# Allegro board P2597_B04_Allegro_layout.brd (continued)
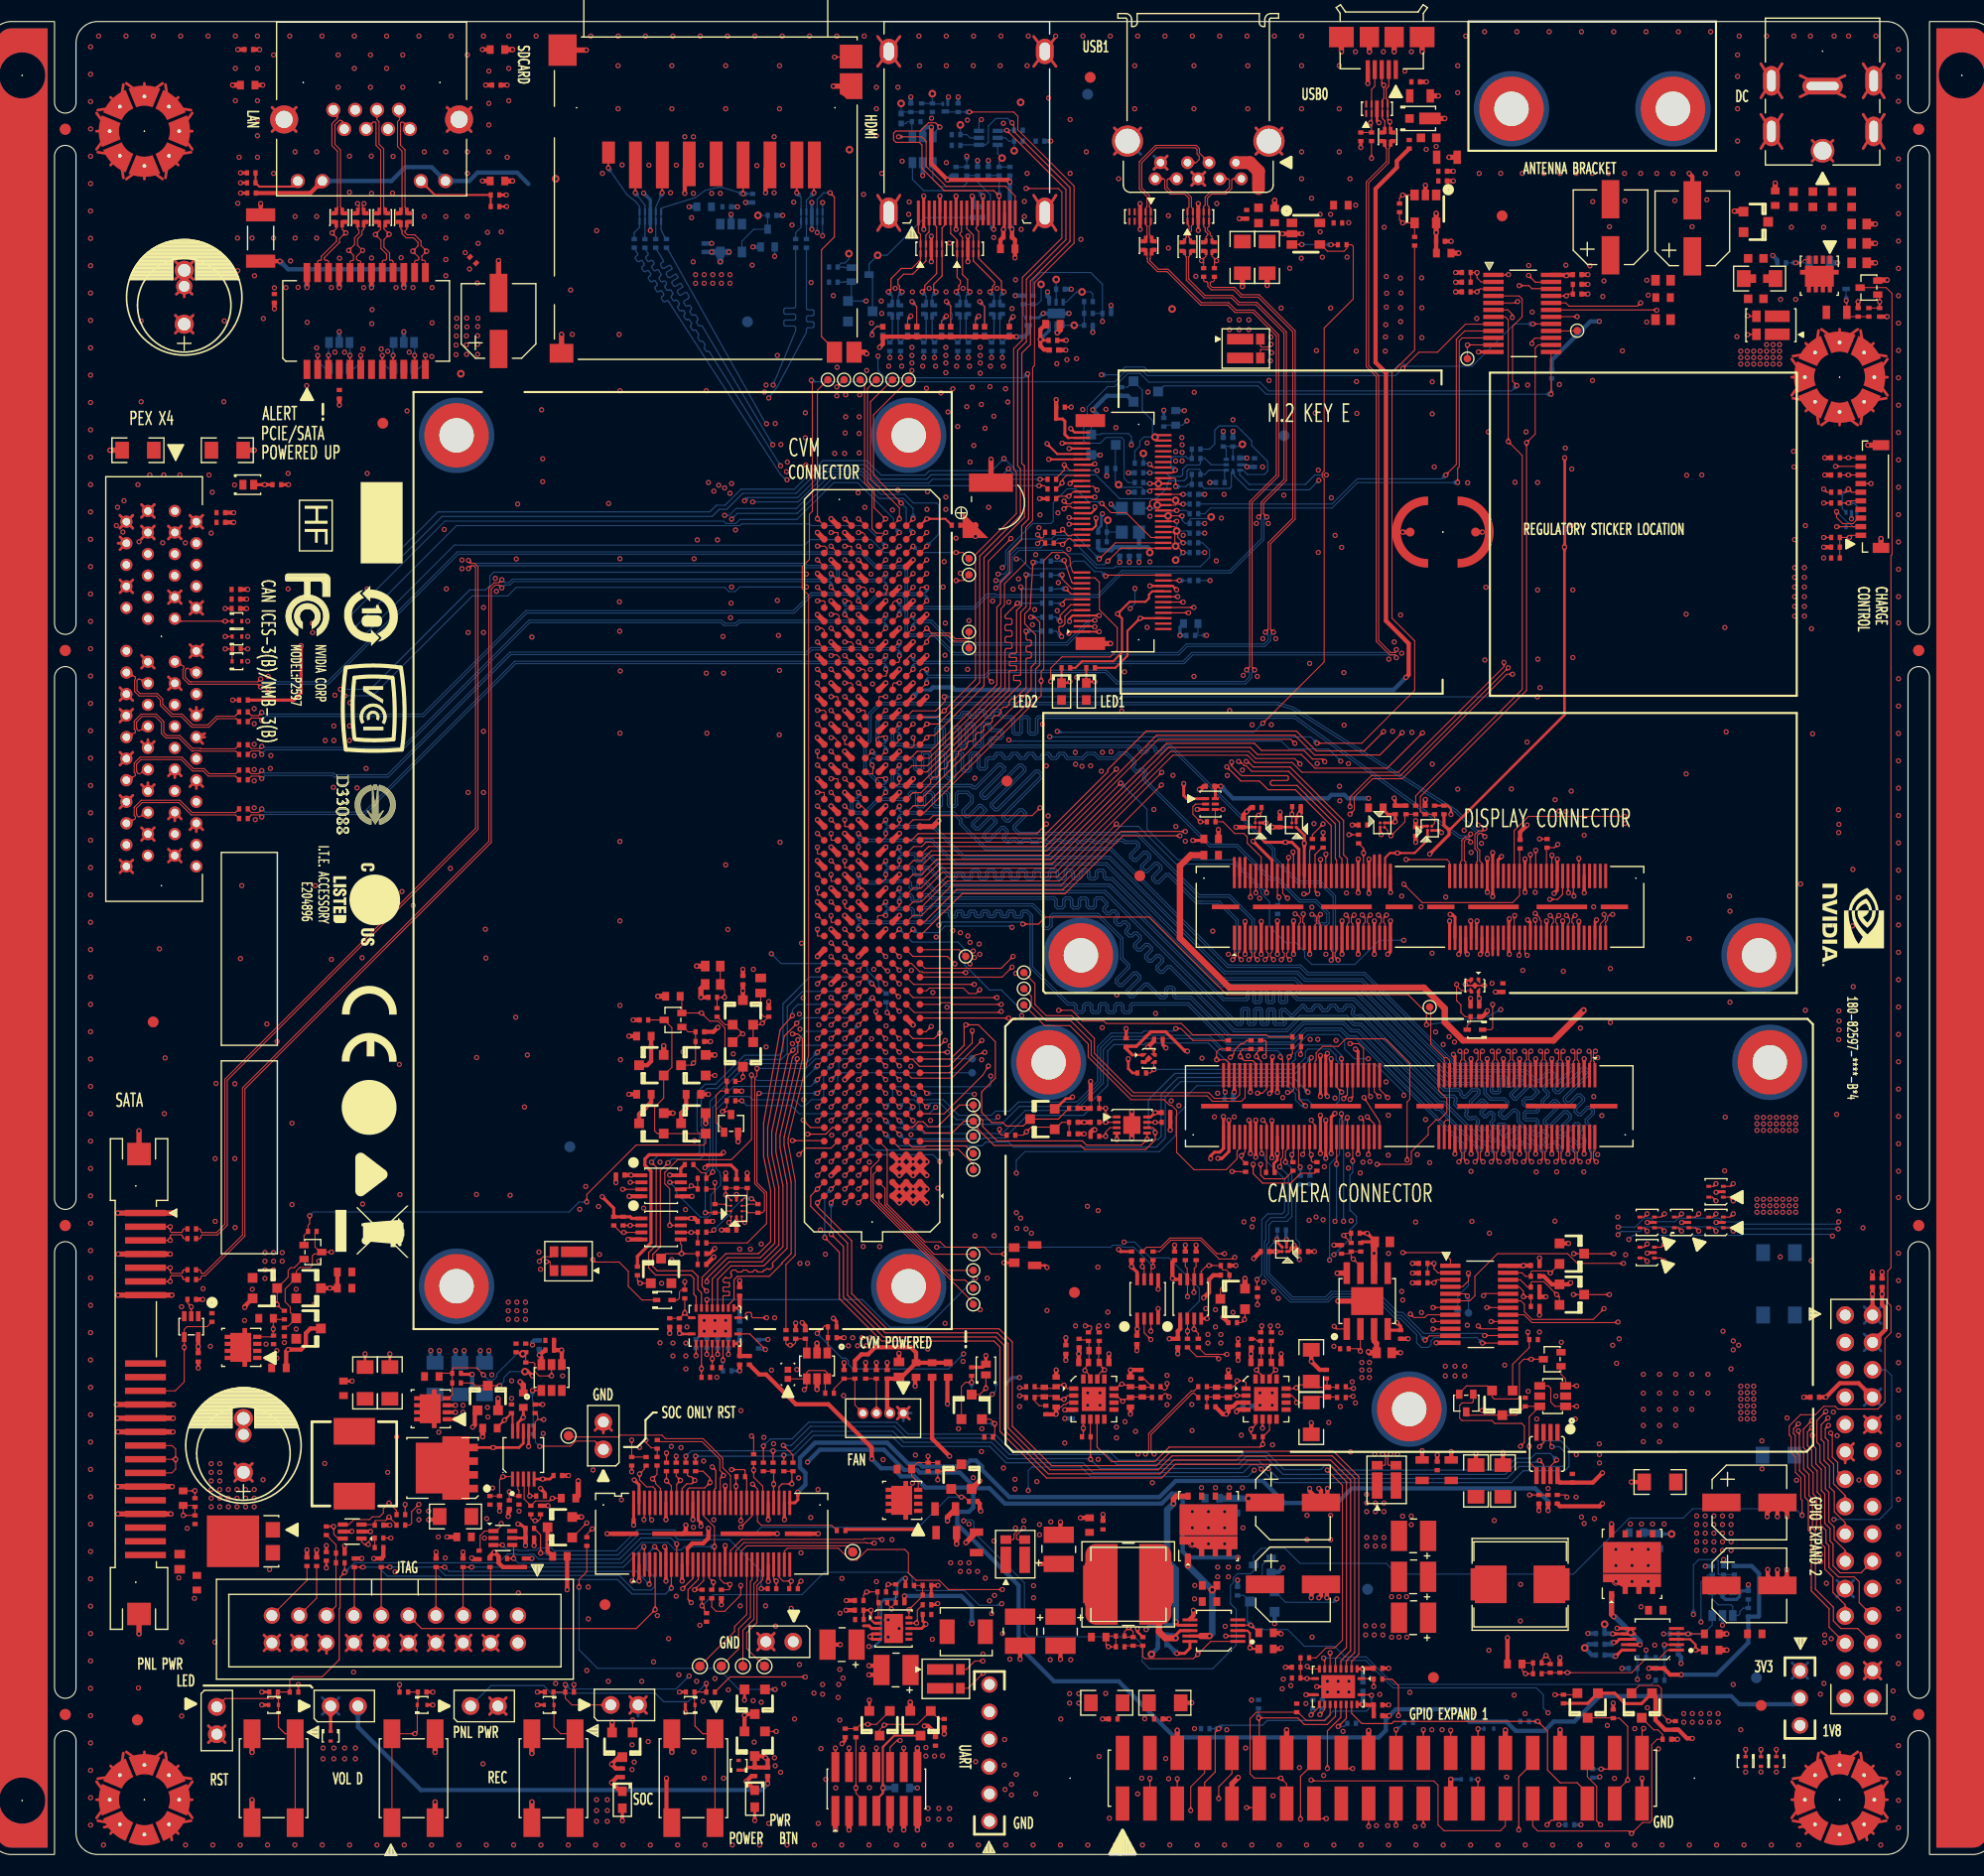
[diagram p0: board, top side]
## Routing (per net, layer and track width the routed paths; a pad name or vN(x,y) marks a point on that pad's centre or on a via; arc(x,y) is an arc through that point) (continued)
  BOTTOM w0.101: v1(83.22,94.8) 83.22,95.22 83.31,95.32 87.61,95.32 90.47,92.46 103.96,92.46 114.65,81.77 121.45,81.77 122.14,81.08 127.4,81.08 135.82,72.66 136.31,72.66 136.31,72.66 142.62,72.66 143.59,71.69 143.91,71.69 144.85,72.63 144.99,72.63 145.21,72.41 145.21,72.27 144.27,71.33 144.27,71 144.62,70.65 144.62,70.51 144.11,70 144.11,69.67 144.45,69.32 144.78,69.32 145.3,69.84 145.44,69.84 145.63,69.65 145.63,69.51 144.31,68.19 144.31,67.87 144.66,67.52 144.98,67.52 146.3,68.84 146.44,68.84 146.68,68.6 146.68,68.4 145.46,67.18 145.46,67.04 145.46,67.04 145.46,66.99 145.46,66.99 145.46,66.85 145.81,66.5 146.13,66.5 147.35,67.73 147.49,67.73 147.71,67.51 147.71,67.36 147.5,67.16 147.5,66.83 148.05,66.28 148.05,66.14 147.83,65.93 147.69,65.93 147.14,66.47 146.82,66.47 146.49,66.14 146.49,65.82 147.24,65.07 147.24,64.58 v1(146.97,64.31)
CON_CSI_B_CLK_P: length 98.5
  TOP w0.101: v1(83.22,96.07) J13.D28 ; J22.8 147.6,65.31 147.46,65.17 147.46,64.58 v1(147.73,64.31)
  BOTTOM w0.101: v1(83.22,96.07) 83.22,95.64 83.33,95.54 87.7,95.54 90.56,92.68 104.05,92.68 114.74,81.99 121.54,81.99 122.23,81.3 127.49,81.3 135.91,72.88 136.22,72.88 136.22,72.88 142.71,72.88 143.68,71.91 143.82,71.91 144.76,72.85 145.08,72.85 145.43,72.5 145.43,72.17 144.49,71.24 144.49,71.1 144.84,70.75 144.84,70.42 144.33,69.91 144.33,69.76 144.55,69.55 144.69,69.55 145.2,70.06 145.53,70.06 145.85,69.74 145.85,69.42 144.53,68.1 144.53,67.96 144.75,67.74 144.89,67.74 146.21,69.06 146.53,69.06 146.9,68.69 146.9,68.3 145.68,67.08 145.68,66.94 145.86,66.76 146.07,66.76 147.26,67.95 147.59,67.95 147.93,67.6 147.93,67.27 147.72,67.06 147.72,66.92 148.27,66.38 148.27,66.05 147.92,65.71 147.6,65.71 147.05,66.25 146.91,66.25 146.71,66.05 146.71,65.91 147.46,65.16 147.46,64.58 v1(147.73,64.31)
CON_CSI_B_D0_N: length 98.4
  TOP w0.101: v1(84.49,96.07) 84.49,95.67 84.25,95.43 J13.C28 ; v1(148.47,64.31) 148.74,64.58 148.74,65.17 148.6,65.31 J22.4
  BOTTOM w0.101: v1(84.49,96.07) 84.49,96.49 84.59,96.59 89.49,96.59 90.07,96.01 90.07,95.66 92.47,93.26 104.06,93.26 114.96,82.36 121.69,82.36 122.39,81.67 127.65,81.67 136.06,73.26 146.62,73.26 146.85,73.03 146.85,72.96 145.17,71.27 145.17,70.95 145.47,70.64 145.8,70.64 148.02,72.86 148.16,72.86 148.38,72.64 148.38,72.5 146.16,70.28 146.16,69.95 146.48,69.64 146.8,69.64 147.56,70.4 147.67,70.4 147.92,70.14 147.92,70.04 147.16,69.28 147.16,68.95 147.51,68.61 147.83,68.61 148.47,69.25 148.62,69.25 148.84,69.03 148.84,68.89 148.19,68.25 148.19,67.92 148.74,67.38 148.74,64.58 v1(148.47,64.31)
CON_CSI_B_D0_P: length 98.6
  TOP w0.101: v1(149.23,64.31) 148.96,64.58 148.96,65.17 149.1,65.31 J22.2 ; v1(84.49,97.34) J13.C29
  BOTTOM w0.101: v1(149.23,64.31) 148.96,64.58 148.96,67.47 148.41,68.02 148.41,68.16 149.06,68.8 149.06,69.12 148.71,69.47 148.38,69.47 147.74,68.83 147.6,68.83 147.38,69.05 147.38,69.19 148.14,69.95 148.14,70.23 147.76,70.62 147.47,70.62 146.71,69.86 146.57,69.86 146.38,70.05 146.38,70.19 148.6,72.41 148.6,72.73 148.25,73.08 147.93,73.08 145.71,70.86 145.57,70.86 145.39,71.04 145.39,71.18 147.07,72.87 147.07,73.12 146.72,73.48 136.15,73.48 127.74,81.89 122.48,81.89 121.79,82.58 115.05,82.58 104.15,93.48 92.56,93.48 90.29,95.75 90.29,96.11 89.58,96.81 84.59,96.81 84.49,96.91 v1(84.49,97.34)
CON_CSI_B_D1_N: length 98.4
  TOP w0.101: v1(80.68,93.53) 80.68,93.05 80.83,92.89 J13.E26 ; J22.16 145.6,65.31 145.74,65.17 145.74,64.58 v1(145.47,64.31)
  BOTTOM w0.101: v1(80.68,93.53) 80.68,93.95 80.78,94.05 87.44,94.05 89.63,91.86 103.66,91.86 114.34,81.17 121.2,81.17 121.89,80.48 127.16,80.48 135.57,72.06 136.56,72.06 136.56,72.07 139.28,72.07 139.38,71.97 139.38,70.86 139.61,70.63 140.15,70.63 140.32,70.81 140.32,72.02 140.37,72.07 140.68,72.07 140.73,72.02 140.73,71.41 140.91,71.23 141.25,71.23 141.68,71.66 141.68,71.97 141.78,72.07 142.25,72.07 142.4,71.92 142.4,71.85 141.2,70.65 141.2,70.4 141.56,70.04 141.81,70.04 143,71.23 143.21,71.23 143.65,70.79 143.18,70.32 142.65,70.32 142.35,70.02 142.35,69.64 142.53,69.46 143.48,69.46 143.69,69.25 143.69,69.11 143.64,69.06 142.64,69.06 142.46,68.88 142.46,68.29 142.64,68.11 143.62,68.11 143.67,68.06 143.67,67.84 143.13,67.3 143.13,67.05 143.52,66.66 143.84,66.66 144.23,67.05 144.3,67.05 144.58,66.76 144.58,66.69 144.16,66.27 144.16,66.02 144.55,65.63 144.87,65.63 145.26,66.02 145.33,66.02 145.74,65.61 145.74,64.58 v1(145.47,64.31)
CON_CSI_B_D1_P: length 98.6
  TOP w0.101: J22.14 146.1,65.32 145.96,65.17 145.96,64.58 v1(146.22,64.31) ; J13.E27 v1(80.68,94.8)
  BOTTOM w0.101: v1(80.68,94.8) 80.68,94.4 80.8,94.27 87.53,94.27 89.72,92.08 103.75,92.08 114.44,81.4 121.29,81.4 121.99,80.7 127.25,80.7 135.67,72.29 136.47,72.29 136.47,72.29 139.37,72.29 139.6,72.06 139.6,70.95 139.7,70.85 140.05,70.85 140.1,70.9 140.1,72.11 140.28,72.29 140.78,72.29 140.96,72.11 140.96,71.5 141,71.45 141.16,71.45 141.46,71.75 141.46,72.06 141.69,72.29 142.34,72.29 142.62,72.01 142.62,71.75 141.43,70.56 141.43,70.49 141.65,70.27 141.72,70.27 142.91,71.45 143.3,71.45 143.96,70.79 143.27,70.1 142.75,70.1 142.57,69.93 142.57,69.73 142.62,69.68 143.57,69.68 143.91,69.34 143.91,69.02 143.74,68.84 142.73,68.84 142.68,68.79 142.68,68.39 142.73,68.34 143.71,68.34 143.89,68.16 143.89,67.75 143.35,67.21 143.35,67.14 143.61,66.89 143.75,66.89 144.13,67.27 144.39,67.27 144.81,66.85 144.81,66.6 144.38,66.18 144.38,66.11 144.64,65.85 144.78,65.85 145.16,66.24 145.42,66.24 145.96,65.7 145.96,64.58 v1(146.22,64.31)
CON_CSI_C_CLK_N: length 78.3
  TOP w0.101: J22.27 142.6,73.65 142.74,73.79 142.74,74.39 v1(142.55,74.58) ; v1(78.14,90.99) 78.14,90.4 78.19,90.35 J13.G24
  L4 w0.101: v1(78.14,90.99) 78.14,91.37 78.25,91.48 89.39,91.48 89.84,91.93 89.91,91.93 90.34,91.5 90.93,91.5 91.21,91.78 91.58,91.78 91.86,91.5 94.26,91.5 95.85,89.91 95.85,89.91 96.16,89.59 102.89,89.59 102.89,89.6 103.22,89.6 109.5,83.32 109.5,83.32 109.81,83.01 109.81,82.2 109.95,82.05 109.95,82.05 113.51,78.49 121.05,78.49 121.97,79.4 136.61,79.4 139.13,76.88 141.77,76.88 142.72,75.93 142.72,74.75 v1(142.55,74.58)
CON_CSI_C_CLK_P: length 78.4
  TOP w0.101: J22.25 143.1,73.64 142.96,73.79 142.96,74.39 v1(143.15,74.58) ; v1(78.14,92.26) J13.G25
  L4 w0.101: v1(78.14,92.26) 78.14,91.94 78.35,91.73 89.28,91.73 89.73,92.18 90.02,92.18 90.45,91.75 90.82,91.75 91.1,92.03 91.68,92.03 91.96,91.75 94.15,91.75 94.15,91.75 94.36,91.75 96.1,90.01 96.1,90.01 96.26,89.85 102.78,89.85 102.78,89.85 103.33,89.85 109.75,83.42 109.75,83.42 110.06,83.12 110.06,82.3 110.21,82.16 113.62,78.74 120.95,78.74 121.86,79.66 136.72,79.66 139.24,77.13 141.88,77.13 142.97,76.04 142.97,74.76 v1(143.15,74.58)
CON_CSI_C_D0_N: length 78.2
  TOP w0.101: J22.21 144.1,73.65 144.24,73.79 144.24,74.39 v1(144.05,74.58) ; v1(79.41,92.26) 79.41,91.67 79.46,91.62 J13.F25
  L4 w0.101: v1(79.41,92.26) 79.41,92.67 79.51,92.77 93.91,92.77 96.43,90.25 102.62,90.25 102.62,90.25 103.49,90.25 110.16,83.59 110.16,83.59 110.46,83.28 110.46,82.47 110.61,82.32 110.61,82.32 113.78,79.15 120.78,79.15 121.69,80.06 122.03,80.06 122.03,80.06 138.47,80.06 139.15,79.38 140.35,79.38 144.22,75.51 144.22,74.75 v1(144.05,74.58)
CON_CSI_C_D0_P: length 78.3
  TOP w0.101: J22.19 144.6,73.64 144.46,73.79 144.46,74.39 v1(144.65,74.58) ; J13.F26 v1(79.41,93.53)
  L4 w0.101: v1(79.41,93.53) 79.41,93.12 79.51,93.02 94.02,93.02 96.54,90.5 102.51,90.5 102.51,90.5 103.6,90.5 110.41,83.69 110.41,83.69 110.71,83.39 110.71,82.58 110.86,82.43 113.89,79.4 120.68,79.4 121.59,80.31 121.8,80.31 121.8,80.31 122.13,80.31 122.13,80.31 138.58,80.31 139.25,79.63 140.46,79.63 144.47,75.61 144.47,74.76 v1(144.65,74.58)
CON_CSI_C_D1_N: length 78.5
  TOP w0.101: v1(76.87,89.72) 76.87,89.13 76.92,89.08 77.5,89.08 ; J22.33 141.1,73.65 141.23,73.79 141.23,74.4 v1(141.05,74.58)
  L4 w0.101: v1(141.05,74.58) 141.22,74.75 141.22,75.11 140.15,76.18 138.91,76.18 136.34,78.75 122.24,78.75 121.33,77.83 113.24,77.83 109.29,81.78 109.15,81.93 109.15,82.74 102.95,88.94 95.88,88.94 95.5,89.32 95.5,89.32 95.19,89.63 95.19,89.63 94.6,90.23 94.19,90.23 93.94,90.48 93.94,90.73 93.84,90.83 93.53,90.83 93.43,90.73 93.43,90.48 93.24,90.28 93.18,90.28 93.13,90.23 92.67,90.23 92.42,90.48 92.42,90.73 92.32,90.83 92.02,90.83 91.92,90.73 91.92,90.48 91.67,90.23 91.15,90.23 90.9,90.48 90.9,90.53 90.85,90.58 90.45,90.58 90.4,90.53 90.4,90.48 90.15,90.23 76.92,90.23 76.87,90.18 v1(76.87,89.72)
CON_CSI_C_D1_P: length 78.4
  TOP w0.101: v1(141.65,74.58) 141.46,74.39 141.46,73.79 141.6,73.64 J22.31 ; v1(76.87,90.99) 77.5,90.35
  L4 w0.101: v1(76.87,90.99) 76.87,90.69 77.08,90.48 90.04,90.48 90.14,90.58 90.14,90.63 90.34,90.83 90.96,90.83 91.16,90.63 91.16,90.58 91.26,90.48 91.56,90.48 91.66,90.58 91.66,90.83 91.91,91.08 92.43,91.08 92.68,90.83 92.68,90.58 92.78,90.48 93.02,90.48 93.08,90.54 93.13,90.54 93.18,90.58 93.18,90.83 93.43,91.08 93.94,91.08 94.19,90.83 94.19,90.58 94.29,90.48 94.7,90.48 95.44,89.74 95.44,89.74 95.75,89.43 95.99,89.19 103.05,89.19 109.4,82.84 109.4,82.03 109.55,81.89 113.34,78.09 121.22,78.09 122.13,79 136.44,79 139.01,76.43 140.25,76.43 141.47,75.22 141.47,74.76 v1(141.65,74.58)
CON_CSI_D_CLK_N: length 91.6
  TOP w0.101: v1(142.47,64.31) 142.73,64.58 142.73,65.17 142.6,65.31 J22.28 ; J13.D24 82.97,90.35 83.22,90.6 v1(83.22,90.99)
  BOTTOM w0.101: v1(142.47,64.31) 142.73,64.58 142.73,65.77 142.51,65.99 142.41,65.99 142,65.58 141.6,65.58 141.29,65.89 141.29,66.22 141.95,66.88 141.95,67.12 141.73,67.34 141.66,67.34 140.9,66.58 140.57,66.58 140.3,66.85 140.3,67.18 140.65,67.52 140.65,67.62 140.59,67.67 140.25,67.67 139.98,67.41 139.72,67.41 139.35,67.78 139.35,68.03 139.57,68.25 139.57,68.66 139.46,68.77 139.39,68.77 139.03,68.41 138.77,68.41 138.43,68.75 138.43,69.01 138.96,69.53 138.96,69.61 138.65,69.91 138.58,69.91 138.05,69.38 137.72,69.38 137.43,69.67 137.43,69.92 138.19,70.69 138.19,70.87 138.18,70.88 137.75,70.88 137.1,70.23 136.85,70.23 136.55,70.53 136.55,70.73 136.4,70.88 135.08,70.88 126.66,79.3 121.4,79.3 120.74,79.96 120.6,79.96 120.55,79.91 120.55,79.19 120.37,79.02 119.91,79.02 119.73,79.19 119.73,79.93 119.68,79.98 119.4,79.98 119.35,79.93 119.35,79.19 119.17,79.02 118.71,79.02 118.53,79.19 118.53,79.93 118.48,79.98 118.2,79.98 118.15,79.93 118.15,79.19 117.97,79.02 117.51,79.02 117.33,79.19 117.33,79.93 117.28,79.98 117,79.98 116.95,79.93 116.95,79.46 116.77,79.28 114.56,79.28 103.96,89.88 88.77,89.88 87.14,91.51 86.78,91.51 86.68,91.41 86.68,91.06 86.45,90.83 85.97,90.83 85.74,91.06 85.74,91.41 85.64,91.51 83.32,91.51 83.22,91.41 v1(83.22,90.99)
CON_CSI_D_CLK_P: length 91.8
  TOP w0.101: v1(83.22,92.26) J13.D25 ; J22.26 143.1,65.32 142.96,65.17 142.96,64.58 v1(143.22,64.31)
  BOTTOM w0.101: v1(143.22,64.31) 142.96,64.58 142.96,65.86 142.6,66.21 142.32,66.21 141.91,65.8 141.69,65.8 141.51,65.98 141.51,66.13 142.17,66.79 142.17,67.21 141.82,67.56 141.57,67.56 140.81,66.8 140.66,66.8 140.52,66.95 140.52,67.09 140.87,67.43 140.87,67.72 140.69,67.9 140.15,67.9 139.88,67.63 139.81,67.63 139.57,67.87 139.57,67.94 139.79,68.16 139.79,68.75 139.55,68.99 139.3,68.99 138.94,68.63 138.87,68.63 138.65,68.84 138.65,68.92 139.18,69.44 139.18,69.7 138.74,70.13 138.49,70.13 137.96,69.6 137.82,69.6 137.65,69.76 137.65,69.83 138.41,70.59 138.41,70.97 138.28,71.1 137.66,71.1 137.01,70.45 136.94,70.45 136.77,70.62 136.77,70.82 136.49,71.1 135.18,71.1 126.76,79.52 121.49,79.52 120.83,80.18 120.51,80.18 120.33,80 120.33,79.29 120.28,79.24 120,79.24 119.95,79.29 119.95,80.02 119.77,80.2 119.31,80.2 119.13,80.02 119.13,79.29 119.08,79.24 118.8,79.24 118.75,79.29 118.75,80.02 118.57,80.2 118.11,80.2 117.93,80.02 117.93,79.29 117.88,79.24 117.6,79.24 117.55,79.29 117.55,80.02 117.37,80.2 116.91,80.2 116.73,80.02 116.73,79.55 116.68,79.5 114.66,79.5 104.06,90.1 88.87,90.1 87.23,91.73 86.69,91.73 86.46,91.5 86.46,91.15 86.36,91.05 86.06,91.05 85.96,91.15 85.96,91.5 85.73,91.73 83.32,91.73 83.22,91.83 v1(83.22,92.26)
CON_CSI_D_D0_N: length 91.8
  TOP w0.101: J13.C25 84.31,91.62 84.49,91.8 v1(84.49,92.26) ; v1(143.97,64.31) 144.24,64.58 144.24,65.17 144.1,65.31 J22.22
  BOTTOM w0.101: v1(143.97,64.31) 144.24,64.58 144.24,65.11 142.54,66.8 142.54,67.37 141.87,68.05 141.87,68.8 141.69,68.98 141.55,68.98 140.84,68.27 140.51,68.27 140.17,68.61 140.17,68.94 140.88,69.65 140.88,69.79 140.63,70.04 139.36,70.04 138.78,70.61 138.78,71.42 138.74,71.47 136.8,71.47 136.8,71.47 135.33,71.47 126.91,79.89 121.65,79.89 120.96,80.58 114.59,80.58 114.59,80.58 114.1,80.58 104.2,90.48 103.64,90.48 103.41,90.71 103.41,91.16 103.31,91.26 103.01,91.26 102.91,91.16 102.91,90.71 102.67,90.48 102.19,90.48 101.96,90.71 101.96,91.16 101.86,91.26 101.55,91.26 101.45,91.16 101.45,90.71 101.22,90.48 100.74,90.48 100.51,90.71 100.51,91.16 100.41,91.26 100.1,91.26 100,91.16 100,90.71 99.77,90.48 99.28,90.48 99.05,90.71 99.05,91.16 98.95,91.26 98.65,91.26 98.55,91.16 98.55,90.71 98.32,90.48 97.83,90.48 97.6,90.71 97.6,91.16 97.5,91.26 97.2,91.26 97.1,91.16 97.1,90.71 96.87,90.48 96.38,90.48 96.15,90.71 96.15,91.16 96.05,91.26 95.75,91.26 95.64,91.16 95.64,90.71 95.41,90.48 94.93,90.48 94.7,90.71 94.7,91.16 94.6,91.26 94.29,91.26 94.19,91.16 94.19,90.71 93.96,90.48 93.48,90.48 93.25,90.71 93.25,91.16 93.14,91.26 92.84,91.26 92.74,91.16 92.74,90.71 92.51,90.48 92.02,90.48 91.79,90.71 91.79,91.16 91.69,91.26 91.39,91.26 91.29,91.16 91.29,90.71 91.06,90.48 90.56,90.48 90.33,90.71 90.33,90.91 90.23,91.01 89.92,91.01 89.82,90.91 89.82,90.71 89.59,90.48 89.35,90.48 87.13,92.7 87.04,92.7 87.04,92.7 86.93,92.7 86.88,92.65 86.88,92.31 86.7,92.13 86.11,92.13 85.93,92.31 85.93,92.68 85.83,92.78 84.59,92.78 84.49,92.68 v1(84.49,92.26)
CON_CSI_D_D0_P: length 92
  TOP w0.101: J22.20 144.6,65.32 144.46,65.17 144.46,64.58 v1(144.72,64.31) ; v1(84.49,93.53) J13.C26
  BOTTOM w0.101: v1(84.49,93.53) 84.49,93.11 84.59,93 85.92,93 86.15,92.77 86.15,92.4 86.2,92.35 86.6,92.35 86.65,92.4 86.65,92.74 86.83,92.92 86.95,92.92 86.95,92.92 87.22,92.92 89.44,90.7 89.5,90.7 89.6,90.8 89.6,91 89.83,91.23 90.32,91.23 90.55,91 90.55,90.8 90.65,90.7 90.97,90.7 91.07,90.8 91.07,91.25 91.3,91.48 91.78,91.48 92.02,91.25 92.02,90.8 92.12,90.7 92.42,90.7 92.52,90.8 92.52,91.25 92.75,91.48 93.24,91.48 93.47,91.25 93.47,90.8 93.57,90.7 93.87,90.7 93.97,90.8 93.97,91.25 94.2,91.48 94.69,91.48 94.92,91.25 94.92,90.8 95.02,90.7 95.32,90.7 95.42,90.8 95.42,91.25 95.65,91.48 96.14,91.48 96.37,91.25 96.37,90.8 96.47,90.7 96.77,90.7 96.88,90.8 96.88,91.25 97.11,91.48 97.59,91.48 97.82,91.25 97.82,90.8 97.92,90.7 98.23,90.7 98.33,90.8 98.33,91.25 98.56,91.48 99.04,91.48 99.27,91.25 99.27,90.8 99.38,90.7 99.68,90.7 99.78,90.8 99.78,91.25 100.01,91.48 100.5,91.48 100.73,91.25 100.73,90.8 100.83,90.7 101.13,90.7 101.23,90.8 101.23,91.25 101.46,91.48 101.95,91.48 102.18,91.25 102.18,90.8 102.28,90.7 102.58,90.7 102.68,90.8 102.68,91.25 102.91,91.48 103.4,91.48 103.63,91.25 103.63,90.8 103.73,90.7 104.29,90.7 114.19,80.8 114.5,80.8 121.05,80.8 121.74,80.11 127,80.11 135.42,71.69 136.71,71.69 136.71,71.69 138.83,71.69 139.01,71.52 139.01,70.71 139.45,70.26 140.72,70.26 141.1,69.88 141.1,69.56 140.39,68.85 140.39,68.71 140.6,68.49 140.75,68.49 141.46,69.2 141.78,69.2 142.09,68.89 142.09,68.14 142.76,67.47 142.76,66.89 144.39,65.26 144.46,65.26 144.46,64.58 v1(144.72,64.31)
CON_CSI_D_D1_N: length 91.8
  TOP w0.101: v1(80.68,89.72) 81.06,89.72 81.31,89.46 J13.E23 ; v1(140.97,64.31) 141.23,64.58 141.23,65.17 141.1,65.31 J22.34
  BOTTOM w0.101: v1(80.68,89.72) 80.68,90.14 80.78,90.24 81.5,90.24 81.63,90.1 82.51,90.1 82.65,90.24 85.29,90.24 85.39,90.14 85.39,89.76 85.58,89.57 86.15,89.57 86.34,89.76 86.34,90.14 86.44,90.24 86.7,90.24 86.7,90.24 86.84,90.24 87.8,89.28 103.54,89.28 115.84,76.98 116.24,76.98 116.42,77.16 116.42,78.36 116.47,78.41 116.75,78.41 116.8,78.36 116.8,77.16 116.98,76.98 117.44,76.98 117.62,77.16 117.62,78.36 117.67,78.41 117.95,78.41 118,78.36 118,77.16 118.18,76.98 118.64,76.98 118.82,77.16 118.82,78.31 118.87,78.36 119.15,78.36 119.2,78.31 119.2,77.16 119.38,76.98 120.25,76.98 120.43,77.16 120.43,77.41 120.02,77.82 120.02,78.28 120.07,78.33 120.25,78.33 120.8,77.78 121.06,77.78 121.99,78.71 122,78.71 122.1,78.61 122.1,78.51 122.33,78.28 122.82,78.28 123.05,78.51 123.05,78.61 123.15,78.71 123.45,78.71 123.55,78.61 123.55,78.51 123.78,78.28 124.27,78.28 124.5,78.51 124.5,78.61 124.6,78.71 124.9,78.71 125,78.61 125,78.51 125.23,78.28 125.72,78.28 125.95,78.51 125.95,78.61 126.05,78.71 126.42,78.71 126.57,78.55 126.57,78.41 126.48,78.32 126.48,78 126.83,77.65 127.16,77.65 127.24,77.74 127.39,77.74 134.84,70.29 135.33,70.29 135.33,70.29 135.93,70.29 136.07,70.15 136.07,70 135.99,69.92 135.99,69.59 136.33,69.25 136.66,69.25 136.75,69.33 136.89,69.33 137.1,69.12 137.1,68.97 137.02,68.89 137.02,68.56 137.37,68.22 137.69,68.22 137.78,68.3 137.92,68.3 138.13,68.09 138.13,67.94 138.05,67.86 138.05,67.53 138.4,67.18 138.72,67.18 138.81,67.27 138.95,67.27 139.17,67.05 139.17,66.91 139.08,66.83 139.08,66.5 139.43,66.15 139.75,66.15 139.84,66.24 139.98,66.24 141.23,64.99 141.23,64.58 v1(140.97,64.31)
CON_CSI_D_D1_P: length 91.9
  TOP w0.101: v1(141.72,64.31) 141.46,64.58 141.46,65.17 141.6,65.32 J22.32 ; v1(80.68,90.99) J13.E24
  BOTTOM w0.101: v1(141.72,64.31) 141.46,64.58 141.46,65.08 140.07,66.46 139.75,66.46 139.66,66.37 139.52,66.37 139.3,66.59 139.3,66.73 139.39,66.82 139.39,67.15 139.04,67.49 138.72,67.49 138.63,67.41 138.49,67.41 138.27,67.62 138.27,67.77 138.36,67.85 138.36,68.18 138.01,68.52 137.69,68.52 137.6,68.44 137.46,68.44 137.24,68.65 137.24,68.8 137.32,68.88 137.32,69.21 136.98,69.55 136.65,69.55 136.57,69.47 136.43,69.47 136.21,69.69 136.21,69.83 136.29,69.91 136.29,70.24 136.02,70.51 135.24,70.51 135.24,70.51 134.93,70.51 127.48,77.96 127.15,77.96 127.06,77.87 126.92,77.87 126.7,78.09 126.7,78.23 126.79,78.32 126.79,78.65 126.51,78.93 125.96,78.93 125.73,78.7 125.73,78.6 125.63,78.5 125.33,78.5 125.22,78.6 125.22,78.7 124.99,78.93 124.51,78.93 124.28,78.7 124.28,78.6 124.18,78.5 123.87,78.5 123.77,78.6 123.77,78.7 123.54,78.93 123.06,78.93 122.83,78.7 122.83,78.6 122.72,78.5 122.42,78.5 122.32,78.6 122.32,78.7 122.09,78.93 121.9,78.93 120.97,78 120.9,78 120.34,78.55 119.98,78.55 119.8,78.37 119.8,77.73 120.21,77.32 120.21,77.25 120.16,77.2 119.47,77.2 119.42,77.25 119.42,78.4 119.24,78.58 118.78,78.58 118.6,78.4 118.6,77.25 118.55,77.2 118.27,77.2 118.22,77.25 118.22,78.45 118.04,78.63 117.58,78.63 117.4,78.45 117.4,77.25 117.35,77.2 117.07,77.2 117.02,77.25 117.02,78.45 116.84,78.63 116.38,78.63 116.2,78.45 116.2,77.25 116.15,77.2 115.93,77.2 103.63,89.5 87.89,89.5 86.93,90.46 86.61,90.46 86.61,90.46 86.35,90.46 86.12,90.23 86.12,89.85 86.06,89.79 85.68,89.79 85.62,89.85 85.62,90.23 85.39,90.46 82.55,90.46 82.42,90.33 81.72,90.33 81.59,90.46 80.78,90.46 80.68,90.56 v1(80.68,90.99)
CON_CSI_E_CLK_N: length 71.6
  TOP w0.101: J22.45 138.1,73.65 138.23,73.79 138.23,74.4 v1(138.05,74.58) ; v1(78.14,87.18) 78.14,86.59 78.19,86.54 J13.G21
  L4 w0.101: v1(78.14,87.18) 78.14,87.57 78.2,87.63 81.39,87.63 81.64,87.88 81.64,88.03 81.75,88.13 82.04,88.13 82.15,88.03 82.15,87.88 82.4,87.63 87.65,87.63 88,87.98 89.05,87.98 89.4,87.63 101.96,87.63 107.65,81.94 107.65,81.42 111.53,77.54 111.53,77.54 112.55,76.52 121.87,76.52 122.78,77.44 135.59,77.44 138.22,74.81 138.22,74.75 v1(138.05,74.58)
CON_CSI_E_CLK_P: length 71.7
  TOP w0.101: v1(78.14,88.45) J13.G22 ; J22.43 138.6,73.64 138.45,73.79 138.45,74.38 v1(138.65,74.58)
  L4 w0.101: v1(78.14,88.45) 78.14,88.19 78.45,87.88 81.29,87.88 81.39,87.98 81.39,88.13 81.64,88.38 82.15,88.38 82.4,88.13 82.4,87.98 82.5,87.88 87.54,87.88 87.89,88.23 89.15,88.23 89.5,87.88 102.07,87.88 107.91,82.04 107.91,81.52 111.64,77.79 111.64,77.79 112.65,76.78 121.77,76.78 122.68,77.69 135.7,77.69 138.47,74.92 138.47,74.76 v1(138.65,74.58)
CON_CSI_E_D0_N: length 71.8
  TOP w0.101: J22.39 139.6,73.65 139.73,73.79 139.73,74.4 v1(139.55,74.58) ; v1(79.41,88.45) 79.41,87.97 79.57,87.81 J13.F22
  L4 w0.101: v1(79.41,88.45) 79.41,89 79.46,89.05 82.9,89.05 82.9,89.05 85.38,89.05 85.55,88.88 86.31,88.88 86.48,89.05 87.95,89.05 87.95,89.05 89.53,89.05 90.3,88.28 102.24,88.28 102.47,88.05 108.31,82.21 108.31,82.2 108.35,82.16 108.51,81.56 112.89,77.18 121.6,77.18 122.51,78.09 135.89,78.09 138.5,75.48 139.14,75.48 139.72,74.91 139.72,74.75 v1(139.55,74.58)
CON_CSI_E_D0_P: length 71.7
  TOP w0.101: v1(79.41,89.72) J13.F23 ; J22.37 140.1,73.64 139.95,73.79 139.95,74.38 v1(140.15,74.58)
  L4 w0.101: v1(79.41,89.72) 79.41,89.37 79.47,89.31 85.48,89.31 85.66,89.13 86.2,89.13 86.38,89.31 89.63,89.31 90.41,88.54 102.34,88.54 102.73,88.15 108.56,82.32 108.58,82.3 108.74,81.69 113,77.43 121.49,77.43 122.41,78.34 135.99,78.34 138.6,75.73 139.25,75.73 139.97,75.01 139.97,74.76 v1(140.15,74.58)
CON_CSI_E_D1_N: length 71.8
  TOP w0.101: v1(136.55,74.58) 136.73,74.4 136.73,73.79 136.6,73.66 J22.51 ; v1(76.87,85.91) 76.87,85.32 76.92,85.27 77.5,85.27
  L4 w0.101: v1(76.87,85.91) 76.87,86.32 76.97,86.42 85.19,86.42 85.6,86.83 90.23,86.83 90.33,86.73 91.24,86.73 91.34,86.83 91.69,86.83 91.79,86.73 91.79,86.68 91.99,86.48 92.61,86.48 92.81,86.68 92.81,86.73 92.91,86.83 93.21,86.83 93.31,86.73 93.31,86.68 93.56,86.43 94.07,86.43 94.24,86.6 94.25,86.65 94.42,86.83 101.84,86.83 107,81.67 107,81.14 111.26,76.88 111.26,76.88 112.28,75.87 112.82,75.87 112.82,75.87 122.14,75.87 123.05,76.78 132.43,76.78 132.58,76.77 132.73,76.76 133.12,76.38 133.72,76.38 134.11,76.77 134.81,76.73 135.35,76.73 136.71,75.37 136.71,74.74 v1(136.55,74.58)
CON_CSI_E_D1_P: length 71.9
  TOP w0.101: v1(76.87,87.18) 77.5,86.54 ; v1(137.15,74.58) 136.95,74.38 136.95,73.79 137.1,73.64 J22.49
  L4 w0.101: v1(76.87,87.18) 76.87,86.86 77.06,86.67 85.08,86.67 85.49,87.08 90.34,87.08 90.43,86.98 91.14,86.98 91.23,87.08 91.8,87.08 92.05,86.83 92.05,86.78 92.1,86.73 92.5,86.73 92.55,86.78 92.55,86.83 92.8,87.08 93.31,87.08 93.56,86.83 93.56,86.78 93.66,86.68 93.97,86.68 93.99,86.71 94,86.76 94.32,87.08 101.94,87.08 107.25,81.77 107.25,81.25 111.36,77.14 111.36,77.14 112.38,76.12 112.71,76.12 122.04,76.12 122.95,77.03 132.44,77.03 132.84,77.01 133.22,76.63 133.61,76.63 134.02,77.03 134.82,76.98 135.46,76.98 136.97,75.47 136.97,74.76 v1(137.15,74.58)
CON_CSI_F_CLK_N: length 83.9
  TOP w0.101: v1(137.96,64.31) 138.23,64.58 138.23,65.17 138.1,65.31 J22.46 ; J13.D21 82.45,86.68 82.45,87.08 82.55,87.18 v1(83.22,87.18)
  BOTTOM w0.101: 87.95,88.05 87.95,88.05 87.95,88.05 ; 87.95,88.05 87.6,88.05 87.35,87.8 86.79,87.8 86.59,87.6 86.59,87.37 86.6,87.37 86.6,87.19 86.43,87.02 85.83,87.02 85.65,87.21 85.65,87.6 85.55,87.7 83.31,87.7 83.22,87.6 v1(83.22,87.18) ; 87.95,88.05 96.82,88.05 97.74,87.14 97.74,86.13 97.98,85.88 98.37,85.88 98.68,86.19 98.68,87.06 98.78,87.16 102.88,87.16 105.03,85 105.03,83.15 105.65,82.53 105.65,82.39 104.54,81.27 104.54,80.94 104.88,80.6 105.21,80.6 106.32,81.72 106.46,81.72 106.68,81.5 106.68,81.36 105.57,80.24 105.57,79.91 105.91,79.57 106.24,79.57 107.35,80.68 107.5,80.68 108.73,79.45 109.14,79.45 109.37,79.68 109.37,80.29 109.48,80.4 109.79,80.4 109.88,80.3 109.88,79.68 110.11,79.45 111.51,79.45 115.16,75.79 120.75,75.79 122.05,77.09 125.7,77.09 126.42,76.37 127.08,76.37 134.35,69.1 134.61,69.1 138.23,65.49 138.23,64.58 v1(137.96,64.31)
CON_CSI_F_CLK_P: length 83.8
  TOP w0.101: J13.D22 82.58,87.87 83.17,88.45 v1(83.22,88.45) ; J22.44 138.6,65.32 138.45,65.17 138.45,64.58 v1(138.72,64.31)
  BOTTOM w0.101: v1(83.22,88.45) 83.22,88.02 83.33,87.92 85.64,87.92 85.87,87.69 85.87,87.3 85.93,87.25 86.34,87.25 86.37,87.28 86.37,87.69 86.7,88.02 87.26,88.02 87.51,88.27 96.92,88.27 97.96,87.23 97.96,86.22 98.08,86.1 98.28,86.1 98.46,86.28 98.46,87.15 98.69,87.38 102.97,87.38 105.25,85.1 105.25,83.24 105.87,82.62 105.87,82.29 104.76,81.18 104.76,81.04 104.97,80.82 105.11,80.82 106.23,81.94 106.56,81.94 106.9,81.59 106.9,81.26 105.79,80.15 105.79,80 106,79.79 106.15,79.79 107.26,80.91 107.59,80.91 108.82,79.67 109.05,79.67 109.15,79.77 109.15,80.38 109.39,80.62 109.88,80.62 110.1,80.4 110.1,79.77 110.2,79.67 111.6,79.67 115.26,76.01 120.66,76.01 121.96,77.31 125.79,77.31 126.51,76.59 127.17,76.59 134.44,69.33 134.71,69.33 138.45,65.58 138.45,64.58 v1(138.72,64.31)
CON_CSI_F_D0_N: length 83.9
  TOP w0.101: J13.C22 84.18,87.81 84.49,88.12 v1(84.49,88.45) ; J22.40 139.6,65.31 139.73,65.17 139.73,64.58 v1(139.47,64.31)
  BOTTOM w0.101: v1(84.49,88.45) 84.49,88.92 84.54,88.97 85.46,88.97 85.56,88.87 85.56,88.61 85.76,88.41 86.31,88.41 86.51,88.61 86.51,88.87 86.61,88.97 87.21,88.97 87.5,88.68 98.82,88.68 98.92,88.58 98.92,88.01 99.16,87.78 99.64,87.78 99.87,88.01 99.87,88.58 99.98,88.69 100.27,88.69 100.38,88.58 100.38,88.01 100.61,87.78 101.09,87.78 101.32,88.01 101.32,88.58 101.42,88.68 101.73,88.68 101.83,88.58 101.83,88.01 102.06,87.78 102.55,87.78 102.78,88.01 102.78,88.58 102.88,88.68 103.24,88.68 103.63,88.29 103.63,88.15 103.39,87.91 103.39,87.59 103.74,87.24 104.06,87.24 104.3,87.48 104.44,87.48 104.66,87.26 104.66,87.12 104.42,86.88 104.42,86.56 104.77,86.21 105.09,86.21 105.33,86.45 105.47,86.45 105.69,86.23 105.69,86.09 105.45,85.85 105.45,85.53 105.8,85.18 106.13,85.18 106.36,85.42 106.5,85.42 106.74,85.18 106.74,85.04 106.25,84.55 106.25,84.23 106.6,83.88 106.92,83.88 107.41,84.37 107.55,84.37 107.77,84.15 107.77,84.01 107.28,83.52 107.28,83.19 107.63,82.85 107.96,82.85 108.44,83.34 108.58,83.34 108.8,83.12 108.8,82.98 108.32,82.49 108.32,82.16 108.66,81.82 108.99,81.82 109.47,82.3 109.61,82.3 115.53,76.39 120.5,76.39 121.8,77.69 125.95,77.69 126.67,76.96 127.32,76.96 134.59,69.7 135.04,69.7 139.73,65.01 139.73,64.58 v1(139.47,64.31)
